# KiCad board nsec-badge-2025-panel.kicad_pcb (continued)
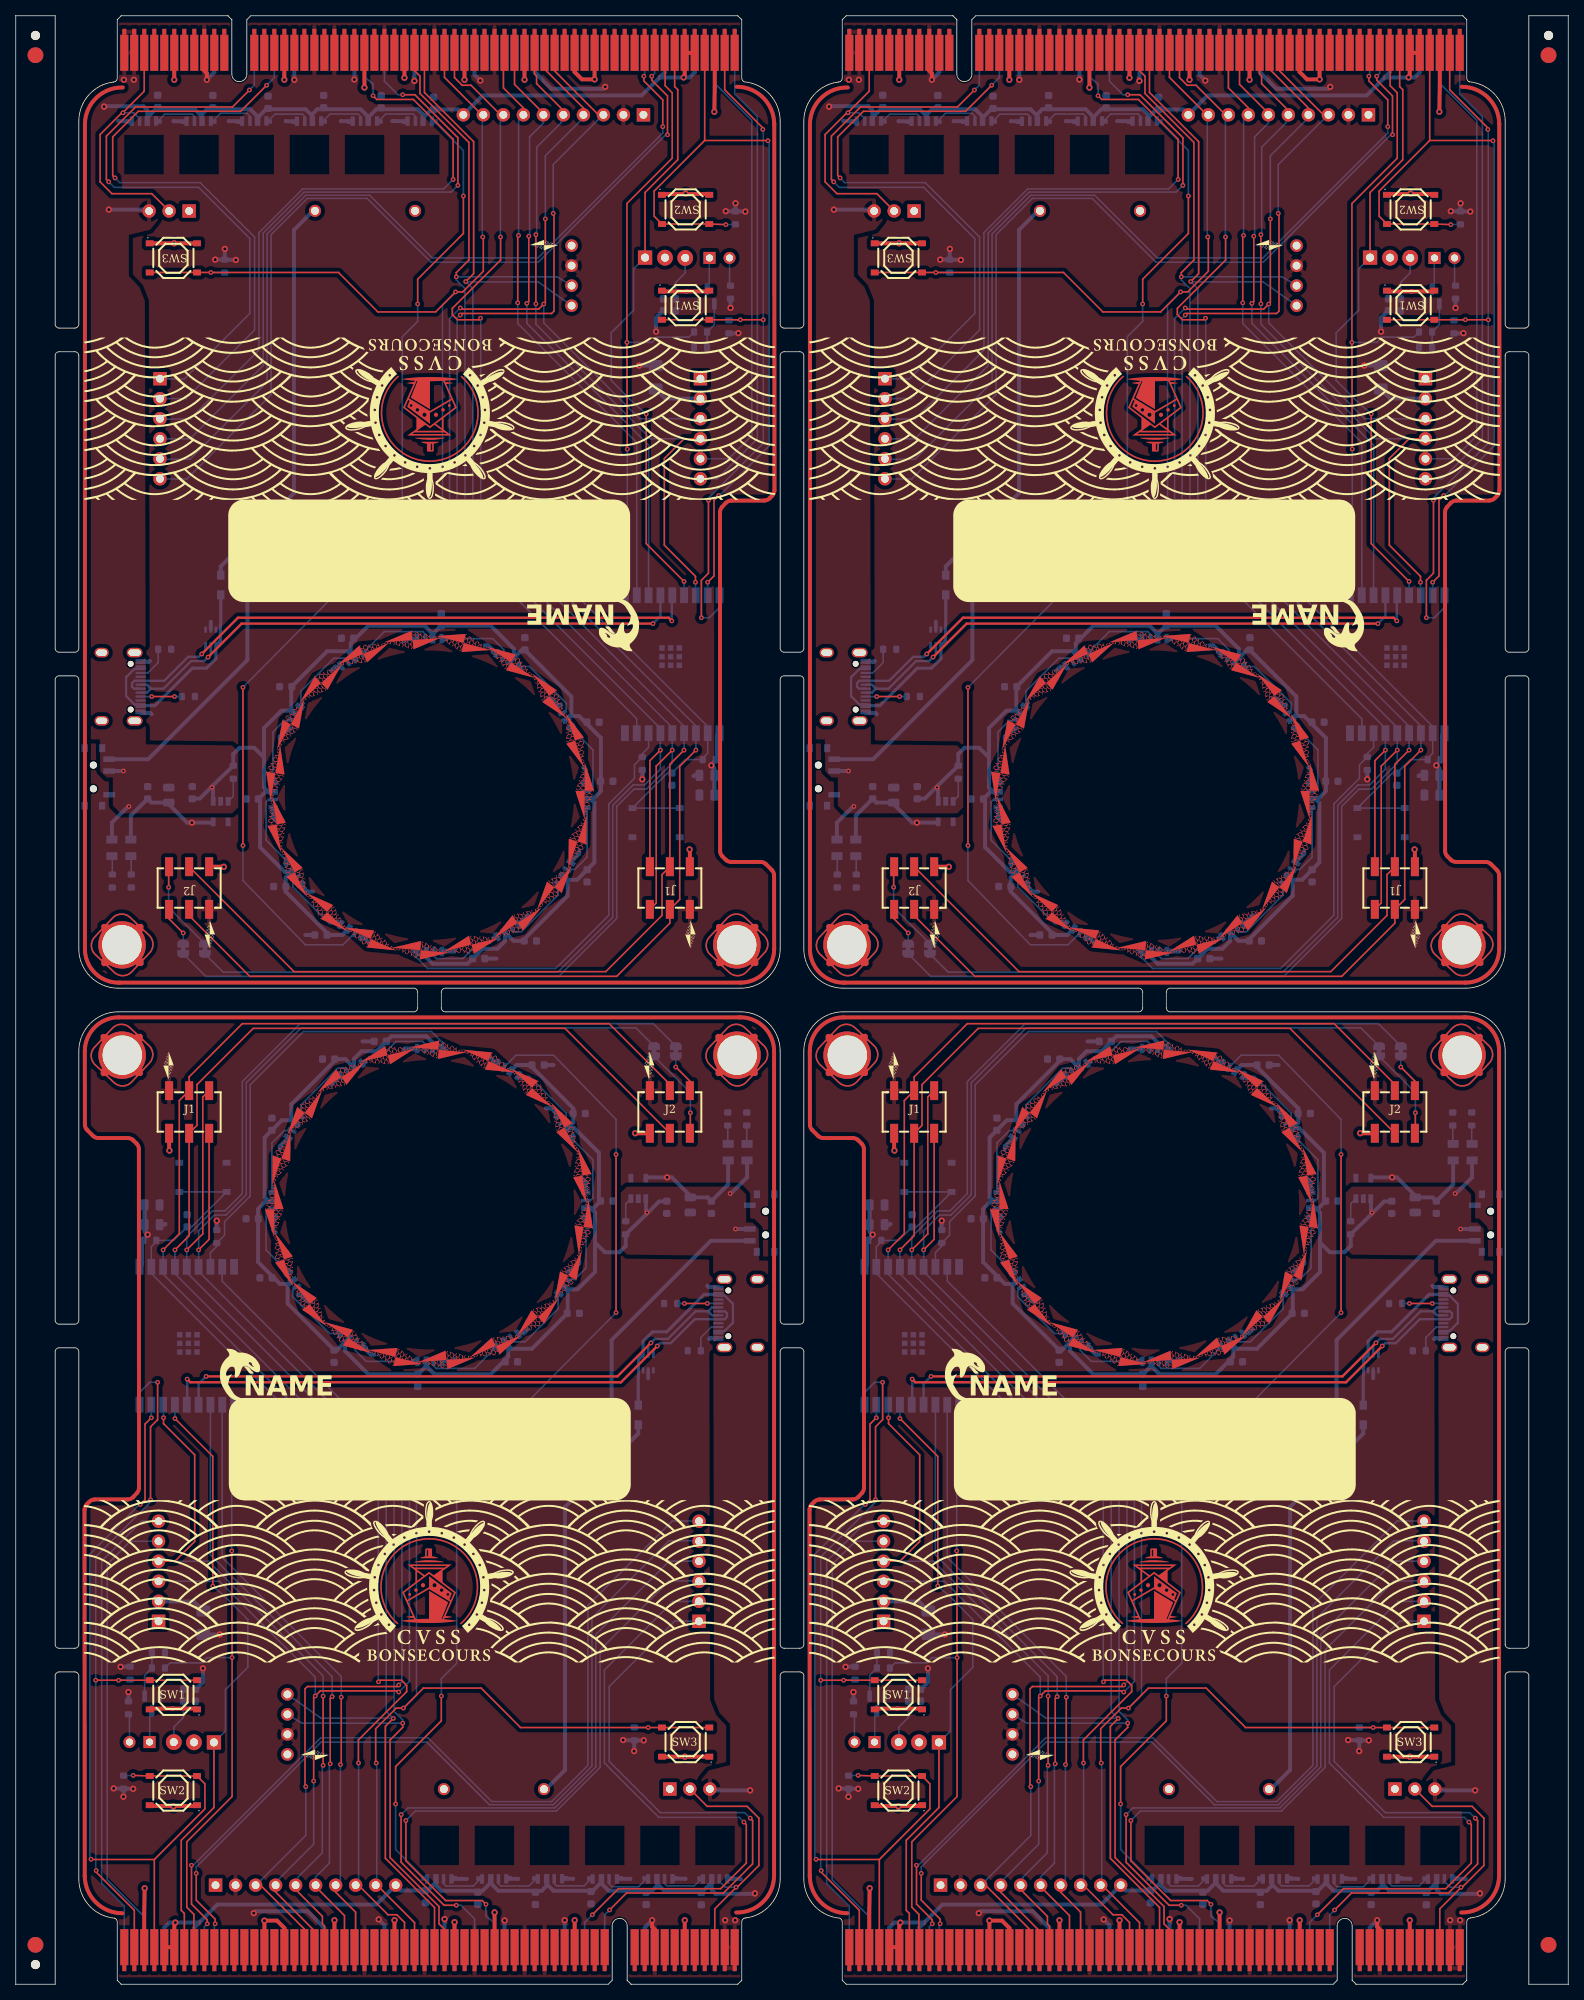
[diagram p0: board, top side]
## Placement (name value [footprint] x y rotation side) (continued)
RGB11#4  SK6812SIDE-A_C5378721  [LED-SMD_SK6812SIDE-A_C5378721]  161.66 108.81 120 bottom
RGB12  SK6812SIDE-A_C5378721  [LED-SMD_SK6812SIDE-A_C5378721]  62.42 116.05 150 bottom
RGB12#2  SK6812SIDE-A_C5378721  [LED-SMD_SK6812SIDE-A_C5378721]  42.59 133.69 330 bottom
RGB12#3  SK6812SIDE-A_C5378721  [LED-SMD_SK6812SIDE-A_C5378721]  154.42 116.05 150 bottom
RGB12#4  SK6812SIDE-A_C5378721  [LED-SMD_SK6812SIDE-A_C5378721]  134.59 133.69 330 bottom
RGB13  SK6812SIDE-A_C5378721  [LED-SMD_SK6812SIDE-A_C5378721]  143.26 236.38 180 bottom
RGB13#2  SK6812SIDE-A_C5378721  [LED-SMD_SK6812SIDE-A_C5378721]  145.74 13.36 0 bottom
RGB13#3  SK6812SIDE-A_C5378721  [LED-SMD_SK6812SIDE-A_C5378721]  51.26 236.38 180 bottom
RGB13#4  SK6812SIDE-A_C5378721  [LED-SMD_SK6812SIDE-A_C5378721]  53.74 13.36 0 bottom
RGB14  SK6812SIDE-A_C5378721  [LED-SMD_SK6812SIDE-A_C5378721]  136.3 236.38 180 bottom
RGB14#2  SK6812SIDE-A_C5378721  [LED-SMD_SK6812SIDE-A_C5378721]  152.7 13.36 0 bottom
RGB14#3  SK6812SIDE-A_C5378721  [LED-SMD_SK6812SIDE-A_C5378721]  60.7 13.36 0 bottom
RGB14#4  SK6812SIDE-A_C5378721  [LED-SMD_SK6812SIDE-A_C5378721]  44.3 236.38 180 bottom
RGB15  SK6812SIDE-A_C5378721  [LED-SMD_SK6812SIDE-A_C5378721]  159.78 13.37 0 bottom
RGB15#2  SK6812SIDE-A_C5378721  [LED-SMD_SK6812SIDE-A_C5378721]  67.78 13.37 0 bottom
RGB15#3  SK6812SIDE-A_C5378721  [LED-SMD_SK6812SIDE-A_C5378721]  129.22 236.37 180 bottom
RGB15#4  SK6812SIDE-A_C5378721  [LED-SMD_SK6812SIDE-A_C5378721]  37.22 236.37 180 bottom
RGB16  SK6812SIDE-A_C5378721  [LED-SMD_SK6812SIDE-A_C5378721]  122.26 236.38 180 bottom
RGB16#2  SK6812SIDE-A_C5378721  [LED-SMD_SK6812SIDE-A_C5378721]  30.26 236.38 180 bottom
RGB16#3  SK6812SIDE-A_C5378721  [LED-SMD_SK6812SIDE-A_C5378721]  74.74 13.36 0 bottom
RGB16#4  SK6812SIDE-A_C5378721  [LED-SMD_SK6812SIDE-A_C5378721]  166.74 13.36 0 bottom
RGB17  SK6812SIDE-A_C5378721  [LED-SMD_SK6812SIDE-A_C5378721]  115.22 236.37 180 bottom
RGB17#2  SK6812SIDE-A_C5378721  [LED-SMD_SK6812SIDE-A_C5378721]  23.22 236.37 180 bottom
RGB17#3  SK6812SIDE-A_C5378721  [LED-SMD_SK6812SIDE-A_C5378721]  81.78 13.37 0 bottom
RGB17#4  SK6812SIDE-A_C5378721  [LED-SMD_SK6812SIDE-A_C5378721]  173.78 13.37 0 bottom
RGB18  SK6812SIDE-A_C5378721  [LED-SMD_SK6812SIDE-A_C5378721]  16.26 236.38 180 bottom
RGB18#2  SK6812SIDE-A_C5378721  [LED-SMD_SK6812SIDE-A_C5378721]  88.74 13.36 0 bottom
RGB18#3  SK6812SIDE-A_C5378721  [LED-SMD_SK6812SIDE-A_C5378721]  180.74 13.36 0 bottom
RGB18#4  SK6812SIDE-A_C5378721  [LED-SMD_SK6812SIDE-A_C5378721]  108.26 236.38 180 bottom
SW1  TS-1187A-B-A-B  [SW-SMD_4P-L5.1-W5.1-P3.70-LS6.5-TL_H1.5]  177 213.02 0 top
SW1#2  TS-1187A-B-A-B  [SW-SMD_4P-L5.1-W5.1-P3.70-LS6.5-TL_H1.5]  20 36.72 180 top
SW1#3  TS-1187A-B-A-B  [SW-SMD_4P-L5.1-W5.1-P3.70-LS6.5-TL_H1.5]  85 213.02 0 top
SW1#4  TS-1187A-B-A-B  [SW-SMD_4P-L5.1-W5.1-P3.70-LS6.5-TL_H1.5]  112 36.72 180 top
SW2  TS-1187A-B-A-B  [SW-SMD_4P-L5.1-W5.1-P3.70-LS6.5-TL_H1.5]  112 24.57 180 top
SW2#2  TS-1187A-B-A-B  [SW-SMD_4P-L5.1-W5.1-P3.70-LS6.5-TL_H1.5]  177 225.17 0 top
SW2#3  TS-1187A-B-A-B  [SW-SMD_4P-L5.1-W5.1-P3.70-LS6.5-TL_H1.5]  20 24.57 180 top
SW2#4  TS-1187A-B-A-B  [SW-SMD_4P-L5.1-W5.1-P3.70-LS6.5-TL_H1.5]  85 225.17 0 top
SW3  TS-1187A-B-A-B  [SW-SMD_4P-L5.1-W5.1-P3.70-LS6.5-TL_H1.5]  20 219.02 0 top
SW3#2  TS-1187A-B-A-B  [SW-SMD_4P-L5.1-W5.1-P3.70-LS6.5-TL_H1.5]  85 30.72 180 top
SW3#3  TS-1187A-B-A-B  [SW-SMD_4P-L5.1-W5.1-P3.70-LS6.5-TL_H1.5]  112 219.02 0 top
SW3#4  TS-1187A-B-A-B  [SW-SMD_4P-L5.1-W5.1-P3.70-LS6.5-TL_H1.5]  177 30.72 180 top
SW4  TS-1187A-B-A-B  [SW-SMD_4P-L5.1-W5.1-P3.70-LS6.5-TL_H1.5]  115.75 102.37 180 bottom
SW4#2  TS-1187A-B-A-B  [SW-SMD_4P-L5.1-W5.1-P3.70-LS6.5-TL_H1.5]  173.25 147.37 0 bottom
SW4#3  TS-1187A-B-A-B  [SW-SMD_4P-L5.1-W5.1-P3.70-LS6.5-TL_H1.5]  81.25 147.37 0 bottom
SW4#4  TS-1187A-B-A-B  [SW-SMD_4P-L5.1-W5.1-P3.70-LS6.5-TL_H1.5]  23.75 102.37 180 bottom
U1  ESP32-C3-WROOM-02-N4(4MB)  [BULETM-SMD_ESPRESSIF_ESP32-C3-WROOM-02-N4-4MB]  21.7 82.27 270 bottom
U1#2  ESP32-C3-WROOM-02-N4(4MB)  [BULETM-SMD_ESPRESSIF_ESP32-C3-WROOM-02-N4-4MB]  175.3 167.47 90 bottom
U1#3  ESP32-C3-WROOM-02-N4(4MB)  [BULETM-SMD_ESPRESSIF_ESP32-C3-WROOM-02-N4-4MB]  113.7 82.27 270 bottom
U1#4  ESP32-C3-WROOM-02-N4(4MB)  [BULETM-SMD_ESPRESSIF_ESP32-C3-WROOM-02-N4-4MB]  83.3 167.47 90 bottom
U2  TYPE-C-31-M-12  [USB-C_SMD-TYPE-C-31-M-12]  13.38 164.62 90 bottom
U2#2  TYPE-C-31-M-12  [USB-C_SMD-TYPE-C-31-M-12]  183.63 85.12 270 bottom
U2#3  TYPE-C-31-M-12  [USB-C_SMD-TYPE-C-31-M-12]  91.63 85.12 270 bottom
U2#4  TYPE-C-31-M-12  [USB-C_SMD-TYPE-C-31-M-12]  105.38 164.62 90 bottom
U3  TPSMF05CT1G  [SOT-363_L2.0-W1.3-P0.65-LS2.1-BL]  80.25 78.87 180 bottom
U3#2  TPSMF05CT1G  [SOT-363_L2.0-W1.3-P0.65-LS2.1-BL]  24.75 170.87 0 bottom
U3#3  TPSMF05CT1G  [SOT-363_L2.0-W1.3-P0.65-LS2.1-BL]  172.25 78.87 180 bottom
U3#4  TPSMF05CT1G  [SOT-363_L2.0-W1.3-P0.65-LS2.1-BL]  116.75 170.87 0 bottom
U4  IR968-8C  [LED-TH_L2.9-W2.9-P2.54-FD]  107.7 30.72 180 bottom
U4#2  IR968-8C  [LED-TH_L2.9-W2.9-P2.54-FD]  89.3 219.02 0 bottom
U4#3  IR968-8C  [LED-TH_L2.9-W2.9-P2.54-FD]  15.7 30.72 180 bottom
U4#4  IR968-8C  [LED-TH_L2.9-W2.9-P2.54-FD]  181.3 219.02 0 bottom
U5  TSOP34838  [SENSOR-TH_TSOP34838]  82.4 219.04 0 bottom
U5#2  TSOP34838  [SENSOR-TH_TSOP34838]  22.6 30.7 180 bottom
U5#3  TSOP34838  [SENSOR-TH_TSOP34838]  174.4 219.04 0 bottom
U5#4  TSOP34838  [SENSOR-TH_TSOP34838]  114.6 30.7 180 bottom
U6  AP2112K-3_3TRG1  [SOT-25-5_L2.9-W1.6-P0.95-LS2.8-BL]  118 148.77 0 bottom
U6#2  AP2112K-3_3TRG1  [SOT-25-5_L2.9-W1.6-P0.95-LS2.8-BL]  26 148.77 0 bottom
U6#3  AP2112K-3_3TRG1  [SOT-25-5_L2.9-W1.6-P0.95-LS2.8-BL]  79 100.97 180 bottom
U6#4  AP2112K-3_3TRG1  [SOT-25-5_L2.9-W1.6-P0.95-LS2.8-BL]  171 100.97 180 bottom
U7  HS96L03W2C03  [OLED-TH_L38.0-W12.0_HS91L02W2C01]  34.47 32.97 0 top
U7#2  HS96L03W2C03  [OLED-TH_L38.0-W12.0_HS91L02W2C01]  70.53 216.77 180 top
U7#3  HS96L03W2C03  [OLED-TH_L38.0-W12.0_HS91L02W2C01]  126.47 32.97 0 top
U7#4  HS96L03W2C03  [OLED-TH_L38.0-W12.0_HS91L02W2C01]  162.53 216.77 180 top

## Library data of the parts
BT1 BT1#2-BT1#4 = -: PARTREV: E; STANDARD: Manufacturer Recommendations; MAXIMUM_PACKAGE_HEIGHT: 13.5mm; MANUFACTURER: Keystone; LCSC: C5370880
C1 C1#2-C1#4 C3 C3#2-C3#4 C4 C4#2-C4#4 C17 C17#2-C17#4 = -: Description: Unpolarized capacitor, small symbol; LCSC: C15849
C2 C2#2-C2#4 C18 C18#2-C18#4 = -: Description: Unpolarized capacitor, small symbol; LCSC: C15850
C5 C5#2-C5#4 C6 C6#2-C6#4 C7 C7#2-C7#4 C8 C8#2-C8#4 C9 C9#2-C9#4 C10 C10#2-C10#4 C11 C11#2-C11#4 C12 C12#2-C12#4 C13 C13#2-C13#4 C14 C14#2-C14#4 C15 C15#2-C15#4 C16 C16#2-C16#4 C20 C20#2-C20#4 C21 C21#2-C21#4 C22 C22#2-C22#4 C23 C23#2-C23#4 C24 C24#2-C24#4 C25 C25#2-C25#4 = -: Description: Unpolarized capacitor, small symbol; LCSC: C14663
C19 C19#2-C19#4 = -: Description: Unpolarized capacitor, small symbol; LCSC: C28233
D1 D1#2-D1#4 D2 D2#2-D2#4 = -: Datasheet: https://item.szlcsc.com/301422.html; LCSC: C130880
F1 F1#2-F1#4 = -: Description: Fuse, small symbol; LCSC: C70065
J1 J1#2-J1#4 J2 J2#2-J2#4 = -: Datasheet: https://cn.bing.com/search?q=datasheet: 2.54MM_2*3; LCSC: C3975148
J3 J3#2-J3#4 = -: Description: Generic connector, single row, 01x10, script generated (kicad-library-utils/schlib/autogen/connector/)
J4 J4#2-J4#4 = -: Description: Generic connector, single row, 01x03, script generated
J5 J5#2-J5#4 = -: Datasheet: http://pinouts.ru/Slots/PCI_pinout.shtml; Description: PCI bus connector for universal 5V/3.3V cards
J6 J6#2-J6#4 J7 J7#2-J7#4 = -: Description: Generic connector, single row, 01x06, script generated (kicad-library-utils/schlib/autogen/connector/); LCSC: C40877
JP1 JP1#2-JP1#4 JP2 JP2#2-JP2#4 = -: Description: Solder Jumper, 2-pole, closed/bridged
KEY1 KEY1#2-KEY1#4 = -: Datasheet: https://item.szlcsc.com/110556.html; LCSC: C109335
LED1 LED1#2-LED1#4 LED2 LED2#2-LED2#4 = -: Datasheet: https://item.szlcsc.com/88042.html; LCSC: C84256
Q1 Q1#2-Q1#4 = -: Datasheet: https://www.onsemi.com/pdf/datasheet/pzt3904-d.pdf; Description: 0.2A Ic, 40V Vce, Small Signal NPN Transistor, SOT-23; LCSC: C111113
R1 R1#2-R1#4 R13 R13#2-R13#4 = -: Description: Resistor, small symbol; LCSC: C25803
R2 R2#2-R2#4 R3 R3#2-R3#4 R4 R4#2-R4#4 R5 R5#2-R5#4 = -: Description: Resistor, small symbol; LCSC: C23186
R6 R6#2-R6#4 R7 R7#2-R7#4 R8 R8#2-R8#4 R9 R9#2-R9#4 R14 R14#2-R14#4 = -: Description: Resistor, small symbol; LCSC: C25804
R10 R10#2-R10#4 = -: Description: Resistor, small symbol; LCSC: C23179
R11 R11#2-R11#4 = -: Description: Resistor, small symbol; LCSC: C25196
R12 R12#2-R12#4 = -: Description: Resistor, small symbol; LCSC: C21190
RGB1 RGB1#2-RGB1#4 RGB2 RGB2#2-RGB2#4 RGB3 RGB3#2-RGB3#4 RGB4 RGB4#2-RGB4#4 RGB5 RGB5#2-RGB5#4 RGB6 RGB6#2-RGB6#4 RGB7 RGB7#2-RGB7#4 RGB8 RGB8#2-RGB8#4 RGB9 RGB9#2-RGB9#4 RGB10 RGB10#2-RGB10#4 RGB11 RGB11#2-RGB11#4 RGB12 RGB12#2-RGB12#4 RGB13 RGB13#2-RGB13#4 RGB14 RGB14#2-RGB14#4 RGB15 RGB15#2-RGB15#4 RGB16 RGB16#2-RGB16#4 RGB17 RGB17#2-RGB17#4 RGB18 RGB18#2-RGB18#4 = -: Datasheet: https://atta.szlcsc.com/upload/public/pdf/source/20230330/465DDC804018179C5A5664463FAA1C59.pdf; LCSC: C5378721
SW1 SW1#2-SW1#4 SW2 SW2#2-SW2#4 SW3 SW3#2-SW3#4 SW4 SW4#2-SW4#4 = -: Datasheet: https://item.szlcsc.com/datasheet/TS-1187A-C-6.0-B/299982.html; LCSC: C318884
U1 U1#2-U1#4 = -: Datasheet: https://atta.szlcsc.com/upload/public/pdf/source/20220106/F07459EFFE1D7CBA94B4FB8A075146A6.pdf; LCSC: C2934560
U2 U2#2-U2#4 = -: Datasheet: https://so.szlcsc.com/global.html?c=&k=C165948; LCSC: C165948
U3 U3#2-U3#4 = -: Datasheet: https://item.szlcsc.com/97429.html; LCSC: C558443
U4 U4#2-U4#4 = -: Datasheet: https://item.szlcsc.com/601866.html?ref=editor&logined=true; LCSC: C475375
U5 U5#2-U5#4 = -: LCSC: C44620
U6 U6#2-U6#4 = -: Datasheet: https://atta.szlcsc.com/upload/public/pdf/source/20180521/C216647_DB6DD3A958B257C676AC8B0A0A0AE735.pdf; LCSC: C51118
U7 U7#2-U7#4 = -: Datasheet: https://atta.szlcsc.com/upload/public/pdf/source/20230727/C3E43C8E3DDA847F5681FEE7D95C153D.pdf; LCSC: C5248081

## Footprints (pads in the part's own frame, mm; a bottom-side part is the same pattern mirrored in y, then rotated)
BAT_2479
  round 1.53 hole 1.02: N(23.72,0.7) P(23.72,-12)
BULETM-SMD_ESPRESSIF_ESP32-C3-WROOM-02-N4-4MB
  rect 2x1 smd: 1(-8.75,6) 2(-8.75,4.5) 3(-8.75,3) 4(-8.75,1.5) 5(-8.75,0) 6(-8.75,-1.5) 7(-8.75,-3) 8(-8.75,-4.5) 9(-8.75,-6) 10(8.75,-6) 11(8.75,-4.5) 12(8.75,-3) 13(8.75,-1.5) 14(8.75,0) 15(8.75,1.5) 16(8.75,3) 17(8.75,4.5) 18(8.75,6)
  rect 0.7x0.7 smd: 19(-0.14,-1.3) 19(-0.14,-0.2) 19(-0.14,0.9) 19(0.96,-1.3) 19(0.96,-0.2) 19(0.96,0.9) 19(2.06,-1.3) 19(2.06,-0.2) 19(2.06,0.9)
BUS_PCI
  rect 1.02x4.57 smd far side: A1(-38.73,1.33) A2(-37.46,1.33) A3(-36.2,1.33) A4(-34.92,1.33) A5(-33.65,1.33) A6(-32.38,1.33) A7(-31.11,1.33) A8(-29.84,1.33) A9(-28.57,1.33) A10(-27.3,1.33) A11(-26.03,1.33) A12(-24.77,1.33) A13(-23.49,1.33) A14(-22.22,1.33) A15(-20.95,1.33) A16(-19.68,1.33) A17(-18.41,1.33) A18(-17.14,1.33) A19(-15.88,1.33) A20(-14.6,1.33) A21(-13.34,1.33) A22(-12.06,1.33) A23(-10.79,1.33) A24(-9.52,1.33) A25(-8.25,1.33) A26(-6.98,1.33) A27(-5.71,1.33) A28(-4.44,1.33) A29(-3.17,1.33) A30(-1.9,1.33) A31(-0.63,1.33) A32(0.64,1.33) A33(1.91,1.33) A34(3.18,1.33) A35(4.45,1.33) A36(5.72,1.33) A37(6.99,1.33) A38(8.26,1.33) A39(9.53,1.33) A40(10.8,1.33) A41(12.07,1.33) A42(13.34,1.33) A43(14.61,1.33) A44(15.88,1.33) A45(17.15,1.33) A46(18.42,1.33) A47(19.69,1.33) A48(20.96,1.33) A49(22.23,1.33) A52(26.04,1.33) A53(27.31,1.33) A54(28.58,1.33) A55(29.85,1.33) A56(31.12,1.33) A57(32.39,1.33) A58(33.66,1.33) A59(34.93,1.33) A60(36.2,1.33) A61(37.47,1.33) A62(38.73,1.33)
  rect 0.51x0.76 smd far side: A1(-38.73,-1.33) A2(-37.46,-1.33) A3(-36.2,-1.33) A4(-34.92,-1.33) A5(-33.65,-1.33) A6(-32.38,-1.33) A7(-31.11,-1.33) A8(-29.84,-1.33) A9(-28.57,-1.33) A10(-27.3,-1.33) A11(-26.03,-1.33) A12(-24.77,-1.33) A13(-23.49,-1.33) A14(-22.22,-1.33) A15(-20.95,-1.33) A16(-19.68,-1.33) A17(-18.41,-1.33) A18(-17.14,-1.33) A19(-15.88,-1.33) A20(-14.6,-1.33) A21(-13.34,-1.33) A22(-12.06,-1.33) A23(-10.79,-1.33) A24(-9.52,-1.33) A25(-8.25,-1.33) A26(-6.98,-1.33) A27(-5.71,-1.33) A28(-4.44,-1.33) A29(-3.17,-1.33) A30(-1.9,-1.33) A31(-0.63,-1.33) A32(0.64,-1.33) A33(1.91,-1.33) A34(3.18,-1.33) A35(4.45,-1.33) A36(5.72,-1.33) A37(6.99,-1.33) A38(8.26,-1.33) A39(9.53,-1.33) A40(10.8,-1.33) A41(12.07,-1.33) A42(13.34,-1.33) A43(14.61,-1.33) A44(15.88,-1.33) A45(17.15,-1.33) A46(18.42,-1.33) A47(19.69,-1.33) A48(20.96,-1.33) A49(22.23,-1.33) A52(26.04,-1.33) A53(27.31,-1.33) A54(28.58,-1.33) A55(29.85,-1.33) A56(31.12,-1.33) A57(32.39,-1.33) A58(33.66,-1.33) A59(34.93,-1.33) A60(36.2,-1.33) A61(37.47,-1.33) A62(38.73,-1.33)
  rect 1.02x4.57 smd: B1(-38.73,1.33) B2(-37.46,1.33) B3(-36.2,1.33) B4(-34.92,1.33) B5(-33.65,1.33) B6(-32.38,1.33) B7(-31.11,1.33) B8(-29.84,1.33) B9(-28.57,1.33) B10(-27.3,1.33) B11(-26.03,1.33) B12(-24.77,1.33) B13(-23.49,1.33) B14(-22.22,1.33) B15(-20.95,1.33) B16(-19.68,1.33) B17(-18.41,1.33) B18(-17.14,1.33) B19(-15.88,1.33) B20(-14.6,1.33) B21(-13.34,1.33) B22(-12.06,1.33) B23(-10.79,1.33) B24(-9.52,1.33) B25(-8.25,1.33) B26(-6.98,1.33) B27(-5.71,1.33) B28(-4.44,1.33) B29(-3.17,1.33) B30(-1.9,1.33) B31(-0.63,1.33) B32(0.64,1.33) B33(1.91,1.33) B34(3.18,1.33) B35(4.45,1.33) B36(5.72,1.33) B37(6.99,1.33) B38(8.26,1.33) B39(9.53,1.33) B40(10.8,1.33) B41(12.07,1.33) B42(13.34,1.33) B43(14.61,1.33) B44(15.88,1.33) B45(17.15,1.33) B46(18.42,1.33) B47(19.69,1.33) B48(20.96,1.33) B49(22.23,1.33) B52(26.04,1.33) B53(27.31,1.33) B54(28.58,1.33) B55(29.85,1.33) B56(31.12,1.33) B57(32.39,1.33) B58(33.66,1.33) B59(34.93,1.33) B60(36.2,1.33) B61(37.47,1.33) B62(38.73,1.33)
  rect 0.51x0.76 smd: B1(-38.73,-1.33) B2(-37.46,-1.33) B3(-36.2,-1.33) B4(-34.92,-1.33) B5(-33.65,-1.33) B6(-32.38,-1.33) B7(-31.11,-1.33) B8(-29.84,-1.33) B9(-28.57,-1.33) B10(-27.3,-1.33) B11(-26.03,-1.33) B12(-24.77,-1.33) B13(-23.49,-1.33) B14(-22.22,-1.33) B15(-20.95,-1.33) B16(-19.68,-1.33) B17(-18.41,-1.33) B18(-17.14,-1.33) B19(-15.88,-1.33) B20(-14.6,-1.33) B21(-13.34,-1.33) B22(-12.06,-1.33) B23(-10.79,-1.33) B24(-9.52,-1.33) B25(-8.25,-1.33) B26(-6.98,-1.33) B27(-5.71,-1.33) B28(-4.44,-1.33) B29(-3.17,-1.33) B30(-1.9,-1.33) B31(-0.63,-1.33) B32(0.64,-1.33) B33(1.91,-1.33) B34(3.18,-1.33) B35(4.45,-1.33) B36(5.72,-1.33) B37(6.99,-1.33) B38(8.26,-1.33) B39(9.53,-1.33) B40(10.8,-1.33) B41(12.07,-1.33) B42(13.34,-1.33) B43(14.61,-1.33) B44(15.88,-1.33) B45(17.15,-1.33) B46(18.42,-1.33) B47(19.69,-1.33) B48(20.96,-1.33) B49(22.23,-1.33) B52(26.04,-1.33) B53(27.31,-1.33) B54(28.58,-1.33) B55(29.85,-1.33) B56(31.12,-1.33) B57(32.39,-1.33) B58(33.66,-1.33) B59(34.93,-1.33) B60(36.2,-1.33) B61(37.47,-1.33) B62(38.73,-1.33)
C_0603_1608Metric
  rrect 0.9x0.95 smd: 1(-0.775,0) 2(0.775,0)
C_0805_2012Metric
  rrect 1x1.45 smd: 1(-0.95,0) 2(0.95,0)
Fiducial
  round 2 smd: (0,0)
Fuse_1206_3216Metric_Pad1.42x1.75mm_HandSolder
  rrect 1.425x1.75 smd: 1(-1.488,0) 2(1.488,0)
HDR-SMD_6P-P2.54-V-F-R2-C3-LS7.0
  rect 1.02x2.4 smd: 1(-2.54,2.704) 2(0,2.704) 3(2.54,2.704) 4(2.54,-2.704) 5(0,-2.704) 6(-2.54,-2.704)
LANYARD-HOLE-4mm
  custom 7.999x8 hole 5: 1(0,0)
LED0805-R-RD
  rect 1x1.4 smd: 1(1.05,0) 2(-1.05,0)
LED-SMD_SK6812SIDE-A_C5378721
  custom 1x1.2 smd: 1(-1.768,0.013) 4(1.768,-0.013)
  custom 0.7x1.2 smd: 2(-0.418,-0.012)
  custom 0.45x1.2 smd: 3(0.543,-0.012)
LED-TH_L2.9-W2.9-P2.54-FD
  rect 1.524x1.524 hole 0.914: 1(-1.27,0)
  round 1.524 hole 0.914: 2(1.27,0)
NPTH
  round 1.152 hole 1.152 unplated: (0,0)
OLED-TH_L38.0-W12.0_HS91L02W2C01
  round 1.6 hole 1: 1(0,-3.81) 2(0,-1.27) 3(0,1.27) 4(0,3.81)
PinHeader_1x10_P2.54mm_Vertical
  rect 1.7x1.7 hole 1: 1(0,0)
  oval 1.7x1.7 hole 1: 2(0,-2.54) 3(0,-5.08) 4(0,-7.62) 5(0,-10.16) 6(0,-12.7) 7(0,-15.24) 8(0,-17.78) 9(0,-20.32) 10(0,-22.86)
PinSocket_1x03_P2.54mm_Vertical
  rect 1.7x1.7 hole 1: 1(0,0)
  oval 1.7x1.7 hole 1: 2(0,-2.54) 3(0,-5.08)
PinSocket_1x06_P2.54mm_Vertical
  rect 1.7x1.7 hole 1: 1(0,0)
  oval 1.7x1.7 hole 1: 2(0,-2.54) 3(0,-5.08) 4(0,-7.62) 5(0,-10.16) 6(0,-12.7)
R_0603_1608Metric
  rrect 0.8x0.95 smd: 1(-0.825,0) 2(0.825,0)
SENSOR-TH_TSOP34838
  rect 1.803x1.803 hole 1.016: 1(-2.548,-0.02)
  round 2.007 hole 1.016: 2(-0.015,-0.003) 3(2.548,0.02)
SOD-123_L2.8-W1.8-LS3.7-RD
  rect 0.95x1.15 smd: 1(-1.692,0) 2(1.692,0)
SolderJumper-2_P1.3mm_Bridged_RoundedPad1.0x1.5mm
  custom 1x1.5 smd: 1(-0.65,0) 2(0.65,0)
SOT-23
  rrect 1.475x0.6 smd: 1(-0.938,0.95) 2(-0.938,-0.95) 3(0.938,0)
SOT-25-5_L2.9-W1.6-P0.95-LS2.8-BL
  rect 0.622x1.105 smd: 1(-0.95,-1.3) 2(-0.001,-1.3) 3(0.95,-1.3) 4(0.95,1.3) 5(-0.95,1.3)
SOT-363_L2.0-W1.3-P0.65-LS2.1-BL
  rect 0.35x0.78 smd: 1(-0.65,-0.99) 2(0,-0.99) 3(0.65,-0.99) 4(0.65,0.99) 5(0,0.99) 6(-0.65,0.99)
SW-SMD_4P-L5.1-W5.1-P3.70-LS6.5-TL_H1.5
  rect 1x0.75 smd: 1(-3,1.85) 2(3,1.85) 3(-3,-1.85) 4(3,-1.85)
SW-SMD_SSSS811101
  round 0.9 hole 0.9 unplated: (-1.5,-0.45) (1.5,-0.45)
  rect 0.7x1.5 smd: 1(-2.25,1.55) 2(0.75,1.55) 3(2.25,1.55)
  rect 1x0.8 smd: 4(-3.65,0.65) 5(3.65,0.65) 6(3.65,-1.55) 7(-3.65,-1.55)
USB-C_SMD-TYPE-C-31-M-12
  round 0.75 hole 0.75 unplated: (-2.9,1.206) (2.9,1.206)
  oval 1.2x2 hole 0.8x1.6: 0(-4.325,1.706) 1(4.325,1.706)
  oval 1.2x1.8 hole 0.8x1.4: 2(4.325,-2.474) 3(-4.325,-2.474)
  rect 0.3x1.3 smd: A1(-3.35,2.474) A4(-2.55,2.474) A5(-1.25,2.474) A6(-0.25,2.474) A7(0.25,2.474) A8(1.25,2.474) A9(2.55,2.474) A12(3.35,2.474) B1(3.05,2.474) B4(2.25,2.474) B5(1.75,2.474) B6(0.75,2.474) B7(-0.75,2.474) B8(-1.75,2.474) B9(-2.25,2.474) B12(-3.05,2.474)

## Nets
Board_0-+3V3: C2.1 C3#2.1 C18#2.1 C19#3.1 F1.1 J1#2.1 J2#2.1 J3#3.2 J5#4.A21 J5#4.A27 J5#4.A33 J5#4.A39 J5#4.A45 J5#4.A53 J5#4.B25 J5#4.B31 J5#4.B36 J5#4.B41 J5#4.B43 J5#4.B54 LED2#3.1 R6#3.1 R7#2.1 R8#2.1 R9.1 R10#4.1 R11#2.1 R14#4.1 U1#4.1 U6#2.5 U7#2.2
Board_0-BTN_A: J3#3.9 J5#4.B30 R9.2 SW3.3 SW3.4 U1#4.8
Board_0-BTN_DOWN: J5#4.B4 R8#2.2 SW2#4.3 SW2#4.4 U1#4.17
Board_0-BTN_UP: J5#4.B2 R7#2.2 SW1#3.3 SW1#3.4 U1#4.18
Board_0-GND: BT1#4.N C1#2.2 C2.2 C3#2.2 C4#2.2 C5#3.2 C6#2.2 C7#2.2 C8#4.2 C9#3.2 C10#2.2 C11.2 C12#4.2 C13#3.2 C14.2 C15#3.2 C16.2 C17#2.2 C18#2.2 C19#3.2 C20#2.2 C21#4.2 C22#4.2 C23#4.2 C24#4.2 C25.2 HOLE1#4.1 HOLE2#4.1 J1#2.6 J2#2.6 J3#3.1 J4#4.1 J5#4.A18 J5#4.A24 J5#4.A30 J5#4.A35 J5#4.A37 J5#4.A42 J5#4.A48 J5#4.A56 J5#4.B3 J5#4.B15 J5#4.B17 J5#4.B22 J5#4.B28 J5#4.B34 J5#4.B38 J5#4.B46 J5#4.B57 J6#2.1 KEY1.4 KEY1.5 KEY1.6 KEY1.7 Q1#3.2 R2#3.2 R3.2 R4#3.2 R5.2 R13#3.1 RGB1#3.4 RGB2#3.4 RGB3#2.4 RGB4#2.4 RGB5#3.4 RGB6#4.4 RGB7#4.4 RGB8.4 RGB9#3.4 RGB10.4 RGB11#3.4 RGB12#2.4 RGB13#3.4 RGB14#4.4 RGB15#4.4 RGB16#2.4 RGB17#2.4 RGB18.4 SW1#3.1 SW1#3.2 SW2#4.1 SW2#4.2 SW3.1 SW3.2 SW4#3.1 SW4#3.2 U1#4.9 U1#4.19 U2.0 U2.A1 U2.A12 U2.B1 U2.B12 U3#2.2 U5.2 U6#2.2 U7#2.1
Board_0-GPIO1: J1#2.3 J3#3.3 J5#4.B19 JP1.2 U1#4.5
Board_0-GPIO2: J1#2.4 J3#3.4 J5#4.B20 J6#2.3 JP2#4.1 U1#4.6
Board_0-GPIO3: J3#3.5 J5#4.B21 J6#2.4 U1#4.16
Board_0-I2C_SCL: J1#2.5 J2#2.5 J5#4.B33 U1#4.4 U7#2.3
Board_0-I2C_SDA: J1#2.2 J2#2.2 J5#4.B32 U1#4.3 U7#2.4
Board_0-IR_IN: J5#4.B7 U1#4.15 U5.1
Board_0-IR_OUT: J5#4.B8 R12#3.1 U1#4.10
Board_0-Net-(J6-Pin_2): F1.2 J6#2.2
Board_0-Net-(JP1-A): J2#2.3 JP1.1
Board_0-Net-(JP2-B): J2#2.4 JP2#4.2
Board_0-Net-(LED1--): LED1#4.2 R2#3.1
Board_0-Net-(LED2--): LED2#3.2 R3.1
Board_0-Net-(Q1-B): Q1#3.1 R12#3.2 R13#3.2
Board_0-Net-(Q1-C): Q1#3.3 U4#2.1
Board_0-Net-(RGB1-DOUT): RGB1#3.3 RGB2#3.1
Board_0-Net-(RGB2-DOUT): RGB2#3.3 RGB3#2.1
Board_0-Net-(RGB3-DOUT): RGB3#2.3 RGB4#2.1
Board_0-Net-(RGB4-DOUT): RGB4#2.3 RGB5#3.1
Board_0-Net-(RGB5-DOUT): RGB5#3.3 RGB6#4.1
Board_0-Net-(RGB6-DOUT): RGB6#4.3 RGB7#4.1
Board_0-Net-(RGB7-DOUT): RGB7#4.3 RGB8.1
Board_0-Net-(RGB8-DOUT): RGB8.3 RGB9#3.1
Board_0-Net-(RGB10-DIN): RGB9#3.3 RGB10.1
Board_0-Net-(RGB10-DOUT): RGB10.3 RGB11#3.1
Board_0-Net-(RGB11-DOUT): RGB11#3.3 RGB12#2.1
Board_0-Net-(RGB12-DOUT): RGB12#2.3 RGB13#3.1
Board_0-Net-(RGB13-DOUT): RGB13#3.3 RGB14#4.1
Board_0-Net-(RGB14-DOUT): RGB14#4.3 RGB15#4.1
Board_0-Net-(RGB15-DOUT): RGB15#4.3 RGB16#2.1
Board_0-Net-(RGB16-DOUT): RGB16#2.3 RGB17#2.1
Board_0-Net-(RGB17-DOUT): RGB17#2.3 RGB18.1
Board_0-Net-(U2-CC1): R4#3.1 U2.A5
Board_0-Net-(U2-CC2): R5.1 U2.B5
Board_0-Net-(U4-A): R11#2.2 U4#2.2
Board_0-Net-(U5-VS): C17#2.1 R10#4.2 U5.3
Board_0-Net-(U6-EN): R1#2.2 U6#2.3
Board_0-POWER_IN: D1#2.1 D2#3.1 KEY1.3
Board_0-RESET: C4#2.1 J3#3.8 J5#4.B29 R6#3.2 SW4#3.3 SW4#3.4 U1#4.2
Board_0-RGB_LED: R14#4.2 RGB1#3.1 U1#4.7
Board_0-RGB_OUT: J4#4.2 J5#4.B60 RGB18.3
Board_0-SV1: J5#4.A3 J6#2.5
Board_0-SV2: J5#4.A1 J6#2.6
Board_0-SV3: J5#4.A49 J7#4.1
Board_0-SV4: J5#4.A47 J7#4.2
Board_0-SV5: J5#4.A38 J7#4.3
Board_0-SV6: J5#4.A36 J7#4.4
Board_0-SV7: J5#4.A10 J7#4.5
Board_0-SV8: J5#4.A9 J7#4.6
Board_0-UART_RX: J3#3.7 J5#4.B24 U1#4.11
Board_0-UART_TX: J3#3.6 J5#4.B23 U1#4.12
Board_0-unconnected-(J5-3.3VAUX-PadA14): J5#4.A14
Board_0-unconnected-(J5-+12V-PadA2): J5#4.A2
Board_0-unconnected-(J5--12V-PadB1): J5#4.B1
Board_0-unconnected-(J5-AD[00]-PadA58): J5#4.A58
Board_0-unconnected-(J5-AD[01]-PadB58): J5#4.B58
Board_0-unconnected-(J5-AD[02]-PadA57): J5#4.A57
Board_0-unconnected-(J5-AD[03]-PadB56): J5#4.B56
Board_0-unconnected-(J5-AD[04]-PadA55): J5#4.A55
Board_0-unconnected-(J5-AD[05]-PadB55): J5#4.B55
Board_0-unconnected-(J5-AD[06]-PadA54): J5#4.A54
Board_0-unconnected-(J5-AD[07]-PadB53): J5#4.B53
Board_0-unconnected-(J5-AD[08]-PadB52): J5#4.B52
Board_0-unconnected-(J5-AD[10]-PadB48): J5#4.B48
Board_0-unconnected-(J5-AD[12]-PadB47): J5#4.B47
Board_0-unconnected-(J5-AD[13]-PadA46): J5#4.A46
Board_0-unconnected-(J5-AD[14]-PadB45): J5#4.B45
Board_0-unconnected-(J5-AD[15]-PadA44): J5#4.A44
Board_0-unconnected-(J5-AD[16]-PadA32): J5#4.A32
Board_0-unconnected-(J5-AD[18]-PadA31): J5#4.A31
Board_0-unconnected-(J5-AD[20]-PadA29): J5#4.A29
Board_0-unconnected-(J5-AD[22]-PadA28): J5#4.A28
Board_0-unconnected-(J5-AD[23]-PadB27): J5#4.B27
Board_0-unconnected-(J5-AD[24]-PadA25): J5#4.A25
Board_0-unconnected-(J5-AD[26]-PadA23): J5#4.A23
Board_0-unconnected-(J5-AD[28]-PadA22): J5#4.A22
Board_0-unconnected-(J5-AD[30]-PadA20): J5#4.A20
Board_0-unconnected-(J5-C/BE#[3]-PadB26): J5#4.B26
Board_0-unconnected-(J5-CLK-PadB16): J5#4.B16
Board_0-unconnected-(J5-IDSEL-PadA26): J5#4.A26
Board_0-unconnected-(J5-M66EN-PadB49): J5#4.B49
Board_0-unconnected-(J5-PAR-PadA43): J5#4.A43
Board_0-unconnected-(J5-PME#-PadA19): J5#4.A19
Board_0-unconnected-(J5-RESERVED-PadA11): J5#4.A11
Board_0-unconnected-(J5-RESERVED-PadA40): J5#4.A40
Board_0-unconnected-(J5-RESERVED-PadA41): J5#4.A41
Board_0-unconnected-(J5-RESERVED-PadB10): J5#4.B10
Board_0-unconnected-(J5-RESERVED-PadB14): J5#4.B14
Board_0-unconnected-(J5-TDI-PadA4): J5#4.A4
Board_0-unconnected-(J5-VIO-PadA16): J5#4.A16
Board_0-unconnected-(J5-VIO-PadA59): J5#4.A59
Board_0-unconnected-(J5-VIO-PadB59): J5#4.B59
Board_0-unconnected-(J5-~{C/BE#[0]}-PadA52): J5#4.A52
Board_0-unconnected-(J5-~{C/BE#[1]}-PadB44): J5#4.B44
Board_0-unconnected-(J5-~{DEVSEL#}-PadB37): J5#4.B37
Board_0-unconnected-(J5-~{FRAME#}-PadA34): J5#4.A34
Board_0-unconnected-(J5-~{GNT#}-PadA17): J5#4.A17
Board_0-unconnected-(J5-~{INTA#}-PadA6): J5#4.A6
Board_0-unconnected-(J5-~{INTC#}-PadA7): J5#4.A7
Board_0-unconnected-(J5-~{IRDY#}-PadB35): J5#4.B35
Board_0-unconnected-(J5-~{LOCK#}-PadB39): J5#4.B39
Board_0-unconnected-(J5-~{PERR#}-PadB40): J5#4.B40
Board_0-unconnected-(J5-~{PRSNT1#}-PadB9): J5#4.B9
Board_0-unconnected-(J5-~{PRSNT2#}-PadB11): J5#4.B11
Board_0-unconnected-(J5-~{REQ64#}-PadA60): J5#4.A60
Board_0-unconnected-(J5-~{REQ#}-PadB18): J5#4.B18
Board_0-unconnected-(J5-~{RST#}-PadA15): J5#4.A15
Board_0-unconnected-(J5-~{SERR#}-PadB42): J5#4.B42
Board_0-unconnected-(KEY1-Pad1): KEY1.1
Board_0-unconnected-(U2-SBU1-PadA8): U2.A8
Board_0-unconnected-(U2-SBU2-PadB8): U2.B8
Board_0-unconnected-(U3-Pad1): U3#2.1
Board_0-unconnected-(U3-Pad3): U3#2.3
Board_0-unconnected-(U6-NC-Pad4): U6#2.4
Board_0-USB_D+: U1#4.14 U2.A6 U2.B6 U3#2.6
Board_0-USB_D-: U1#4.13 U2.A7 U2.B7 U3#2.5
Board_0-VBAT: BT1#4.P D1#2.2
Board_0-VBUS: D2#3.2 U2.A4 U2.A9 U2.B4 U2.B9 U3#2.4
Board_0-VDD: C1#2.1 C5#3.1 C6#2.1 C7#2.1 C8#4.1 C9#3.1 C10#2.1 C11.1 C12#4.1 C13#3.1 C14.1 C15#3.1 C16.1 C20#2.1 C21#4.1 C22#4.1 C23#4.1 C24#4.1 C25.1 J3#3.10 J4#4.3 J5#4.A5 J5#4.A8 J5#4.A61 J5#4.A62 J5#4.B5 J5#4.B6 J5#4.B61 J5#4.B62 KEY1.2 LED1#4.1 R1#2.1 RGB1#3.2 RGB2#3.2 RGB3#2.2 RGB4#2.2 RGB5#3.2 RGB6#4.2 RGB7#4.2 RGB8.2 RGB9#3.2 RGB10.2 RGB11#3.2 RGB12#2.2 RGB13#3.2 RGB14#4.2 RGB15#4.2 RGB16#2.2 RGB17#2.2 RGB18.2 U6#2.1
Board_1-+3V3: C2#4.1 C3#3.1 C18#3.1 C19#4.1 F1#3.1 J1#4.1 J2.1 J3#4.2 J5.A21 J5.A27 J5.A33 J5.A39 J5.A45 J5.A53 J5.B25 J5.B31 J5.B36 J5.B41 J5.B43 J5.B54 LED2.1 R6.1 R7.1 R8.1 R9#4.1 R10#3.1 R11#4.1 R14.1 U1#2.1 U6.5 U7#4.2
Board_1-BTN_A: J3#4.9 J5.B30 R9#4.2 SW3#3.3 SW3#3.4 U1#2.8
Board_1-BTN_DOWN: J5.B4 R8.2 SW2#2.3 SW2#2.4 U1#2.17
Board_1-BTN_UP: J5.B2 R7.2 SW1.3 SW1.4 U1#2.18
Board_1-GND: BT1#2.N C1#4.2 C2#4.2 C3#3.2 C4#3.2 C5#2.2 C6.2 C7.2 C8#2.2 C9#2.2 C10#3.2 C11#4.2 C12#3.2 C13.2 C14#4.2 C15#2.2 C16#2.2 C17.2 C18#3.2 C19#4.2 C20.2 C21#2.2 C22#3.2 C23#3.2 C24#2.2 C25#3.2 HOLE1.1 HOLE2#3.1 J1#4.6 J2.6 J3#4.1 J4.1 J5.A18 J5.A24 J5.A30 J5.A35 J5.A37 J5.A42 J5.A48 J5.A56 J5.B3 J5.B15 J5.B17 J5.B22 J5.B28 J5.B34 J5.B38 J5.B46 J5.B57 J6.1 KEY1#4.4 KEY1#4.5 KEY1#4.6 KEY1#4.7 Q1.2 R2.2 R3#3.2 R4#2.2 R5#2.2 R13.1 RGB1#4.4 RGB2.4 RGB3.4 RGB4.4 RGB5#2.4 RGB6.4 RGB7.4 RGB8#2.4 RGB9#4.4 RGB10#4.4 RGB11#2.4 RGB12#4.4 RGB13.4 RGB14.4 RGB15#3.4 RGB16.4 RGB17.4 RGB18#4.4 SW1.1 SW1.2 SW2#2.1 SW2#2.2 SW3#3.1 SW3#3.2 SW4#2.1 SW4#2.2 U1#2.9 U1#2.19 U2#4.0 U2#4.A1 U2#4.A12 U2#4.B1 U2#4.B12 U3#4.2 U5#3.2 U6.2 U7#4.1
Board_1-GPIO1: J1#4.3 J3#4.3 J5.B19 JP1#4.2 U1#2.5
Board_1-GPIO2: J1#4.4 J3#4.4 J5.B20 J6.3 JP2.1 U1#2.6
Board_1-GPIO3: J3#4.5 J5.B21 J6.4 U1#2.16
Board_1-I2C_SCL: J1#4.5 J2.5 J5.B33 U1#2.4 U7#4.3
Board_1-I2C_SDA: J1#4.2 J2.2 J5.B32 U1#2.3 U7#4.4
Board_1-IR_IN: J5.B7 U1#2.15 U5#3.1
Board_1-IR_OUT: J5.B8 R12#2.1 U1#2.10
Board_1-Net-(J6-Pin_2): F1#3.2 J6.2
Board_1-Net-(JP1-A): J2.3 JP1#4.1
Board_1-Net-(JP2-B): J2.4 JP2.2
Board_1-Net-(LED1--): LED1#2.2 R2.1
Board_1-Net-(LED2--): LED2.2 R3#3.1
Board_1-Net-(Q1-B): Q1.1 R12#2.2 R13.2
Board_1-Net-(Q1-C): Q1.3 U4#4.1
Board_1-Net-(RGB1-DOUT): RGB1#4.3 RGB2.1
Board_1-Net-(RGB2-DOUT): RGB2.3 RGB3.1
Board_1-Net-(RGB3-DOUT): RGB3.3 RGB4.1
Board_1-Net-(RGB4-DOUT): RGB4.3 RGB5#2.1
Board_1-Net-(RGB5-DOUT): RGB5#2.3 RGB6.1
Board_1-Net-(RGB6-DOUT): RGB6.3 RGB7.1
Board_1-Net-(RGB7-DOUT): RGB7.3 RGB8#2.1
Board_1-Net-(RGB8-DOUT): RGB8#2.3 RGB9#4.1
Board_1-Net-(RGB10-DIN): RGB9#4.3 RGB10#4.1
Board_1-Net-(RGB10-DOUT): RGB10#4.3 RGB11#2.1
Board_1-Net-(RGB11-DOUT): RGB11#2.3 RGB12#4.1
Board_1-Net-(RGB12-DOUT): RGB12#4.3 RGB13.1
Board_1-Net-(RGB13-DOUT): RGB13.3 RGB14.1
Board_1-Net-(RGB14-DOUT): RGB14.3 RGB15#3.1
Board_1-Net-(RGB15-DOUT): RGB15#3.3 RGB16.1
Board_1-Net-(RGB16-DOUT): RGB16.3 RGB17.1
Board_1-Net-(RGB17-DOUT): RGB17.3 RGB18#4.1
Board_1-Net-(U2-CC1): R4#2.1 U2#4.A5
Board_1-Net-(U2-CC2): R5#2.1 U2#4.B5
Board_1-Net-(U4-A): R11#4.2 U4#4.2
Board_1-Net-(U5-VS): C17.1 R10#3.2 U5#3.3
Board_1-Net-(U6-EN): R1.2 U6.3
Board_1-POWER_IN: D1#4.1 D2#2.1 KEY1#4.3
Board_1-RESET: C4#3.1 J3#4.8 J5.B29 R6.2 SW4#2.3 SW4#2.4 U1#2.2
Board_1-RGB_LED: R14.2 RGB1#4.1 U1#2.7
Board_1-RGB_OUT: J4.2 J5.B60 RGB18#4.3
Board_1-SV1: J5.A3 J6.5
Board_1-SV2: J5.A1 J6.6
Board_1-SV3: J5.A49 J7.1
Board_1-SV4: J5.A47 J7.2
Board_1-SV5: J5.A38 J7.3
Board_1-SV6: J5.A36 J7.4
Board_1-SV7: J5.A10 J7.5
Board_1-SV8: J5.A9 J7.6
Board_1-UART_RX: J3#4.7 J5.B24 U1#2.11
Board_1-UART_TX: J3#4.6 J5.B23 U1#2.12
Board_1-unconnected-(J5-3.3VAUX-PadA14): J5.A14
Board_1-unconnected-(J5-+12V-PadA2): J5.A2
Board_1-unconnected-(J5--12V-PadB1): J5.B1
Board_1-unconnected-(J5-AD[00]-PadA58): J5.A58
Board_1-unconnected-(J5-AD[01]-PadB58): J5.B58
Board_1-unconnected-(J5-AD[02]-PadA57): J5.A57
Board_1-unconnected-(J5-AD[03]-PadB56): J5.B56
Board_1-unconnected-(J5-AD[04]-PadA55): J5.A55
Board_1-unconnected-(J5-AD[05]-PadB55): J5.B55
Board_1-unconnected-(J5-AD[06]-PadA54): J5.A54
Board_1-unconnected-(J5-AD[07]-PadB53): J5.B53
Board_1-unconnected-(J5-AD[08]-PadB52): J5.B52
Board_1-unconnected-(J5-AD[10]-PadB48): J5.B48
Board_1-unconnected-(J5-AD[12]-PadB47): J5.B47
Board_1-unconnected-(J5-AD[13]-PadA46): J5.A46
Board_1-unconnected-(J5-AD[14]-PadB45): J5.B45
Board_1-unconnected-(J5-AD[15]-PadA44): J5.A44
Board_1-unconnected-(J5-AD[16]-PadA32): J5.A32
Board_1-unconnected-(J5-AD[18]-PadA31): J5.A31
Board_1-unconnected-(J5-AD[20]-PadA29): J5.A29
Board_1-unconnected-(J5-AD[22]-PadA28): J5.A28
Board_1-unconnected-(J5-AD[23]-PadB27): J5.B27
Board_1-unconnected-(J5-AD[24]-PadA25): J5.A25
Board_1-unconnected-(J5-AD[26]-PadA23): J5.A23
Board_1-unconnected-(J5-AD[28]-PadA22): J5.A22
Board_1-unconnected-(J5-AD[30]-PadA20): J5.A20
Board_1-unconnected-(J5-C/BE#[3]-PadB26): J5.B26
Board_1-unconnected-(J5-CLK-PadB16): J5.B16
Board_1-unconnected-(J5-IDSEL-PadA26): J5.A26
Board_1-unconnected-(J5-M66EN-PadB49): J5.B49
Board_1-unconnected-(J5-PAR-PadA43): J5.A43
Board_1-unconnected-(J5-PME#-PadA19): J5.A19
Board_1-unconnected-(J5-RESERVED-PadA11): J5.A11
Board_1-unconnected-(J5-RESERVED-PadA40): J5.A40
Board_1-unconnected-(J5-RESERVED-PadA41): J5.A41
Board_1-unconnected-(J5-RESERVED-PadB10): J5.B10
Board_1-unconnected-(J5-RESERVED-PadB14): J5.B14
Board_1-unconnected-(J5-TDI-PadA4): J5.A4
Board_1-unconnected-(J5-VIO-PadA16): J5.A16
Board_1-unconnected-(J5-VIO-PadA59): J5.A59
Board_1-unconnected-(J5-VIO-PadB59): J5.B59
Board_1-unconnected-(J5-~{C/BE#[0]}-PadA52): J5.A52
Board_1-unconnected-(J5-~{C/BE#[1]}-PadB44): J5.B44
Board_1-unconnected-(J5-~{DEVSEL#}-PadB37): J5.B37
Board_1-unconnected-(J5-~{FRAME#}-PadA34): J5.A34
Board_1-unconnected-(J5-~{GNT#}-PadA17): J5.A17
Board_1-unconnected-(J5-~{INTA#}-PadA6): J5.A6
Board_1-unconnected-(J5-~{INTC#}-PadA7): J5.A7
Board_1-unconnected-(J5-~{IRDY#}-PadB35): J5.B35
Board_1-unconnected-(J5-~{LOCK#}-PadB39): J5.B39
Board_1-unconnected-(J5-~{PERR#}-PadB40): J5.B40
Board_1-unconnected-(J5-~{PRSNT1#}-PadB9): J5.B9
Board_1-unconnected-(J5-~{PRSNT2#}-PadB11): J5.B11
Board_1-unconnected-(J5-~{REQ64#}-PadA60): J5.A60
Board_1-unconnected-(J5-~{REQ#}-PadB18): J5.B18
Board_1-unconnected-(J5-~{RST#}-PadA15): J5.A15
Board_1-unconnected-(J5-~{SERR#}-PadB42): J5.B42
Board_1-unconnected-(KEY1-Pad1): KEY1#4.1
Board_1-unconnected-(U2-SBU1-PadA8): U2#4.A8
Board_1-unconnected-(U2-SBU2-PadB8): U2#4.B8
Board_1-unconnected-(U3-Pad1): U3#4.1
Board_1-unconnected-(U3-Pad3): U3#4.3
Board_1-unconnected-(U6-NC-Pad4): U6.4
Board_1-USB_D+: U1#2.14 U2#4.A6 U2#4.B6 U3#4.6
Board_1-USB_D-: U1#2.13 U2#4.A7 U2#4.B7 U3#4.5
Board_1-VBAT: BT1#2.P D1#4.2
Board_1-VBUS: D2#2.2 U2#4.A4 U2#4.A9 U2#4.B4 U2#4.B9 U3#4.4
